# Altium PCB record1.PcbDoc (part 2 of 2)
Units mil, origin at the board's own origin, x right, y up, seen from the top; angles counter-clockwise.
Board outline 17007.87 x 11459.7 mil, 3 copper layers (Top Layer, GND, Bottom Layer), stack 19.217 mil thick; 488 components, 1 nets, 1152 pads, 320 vias.
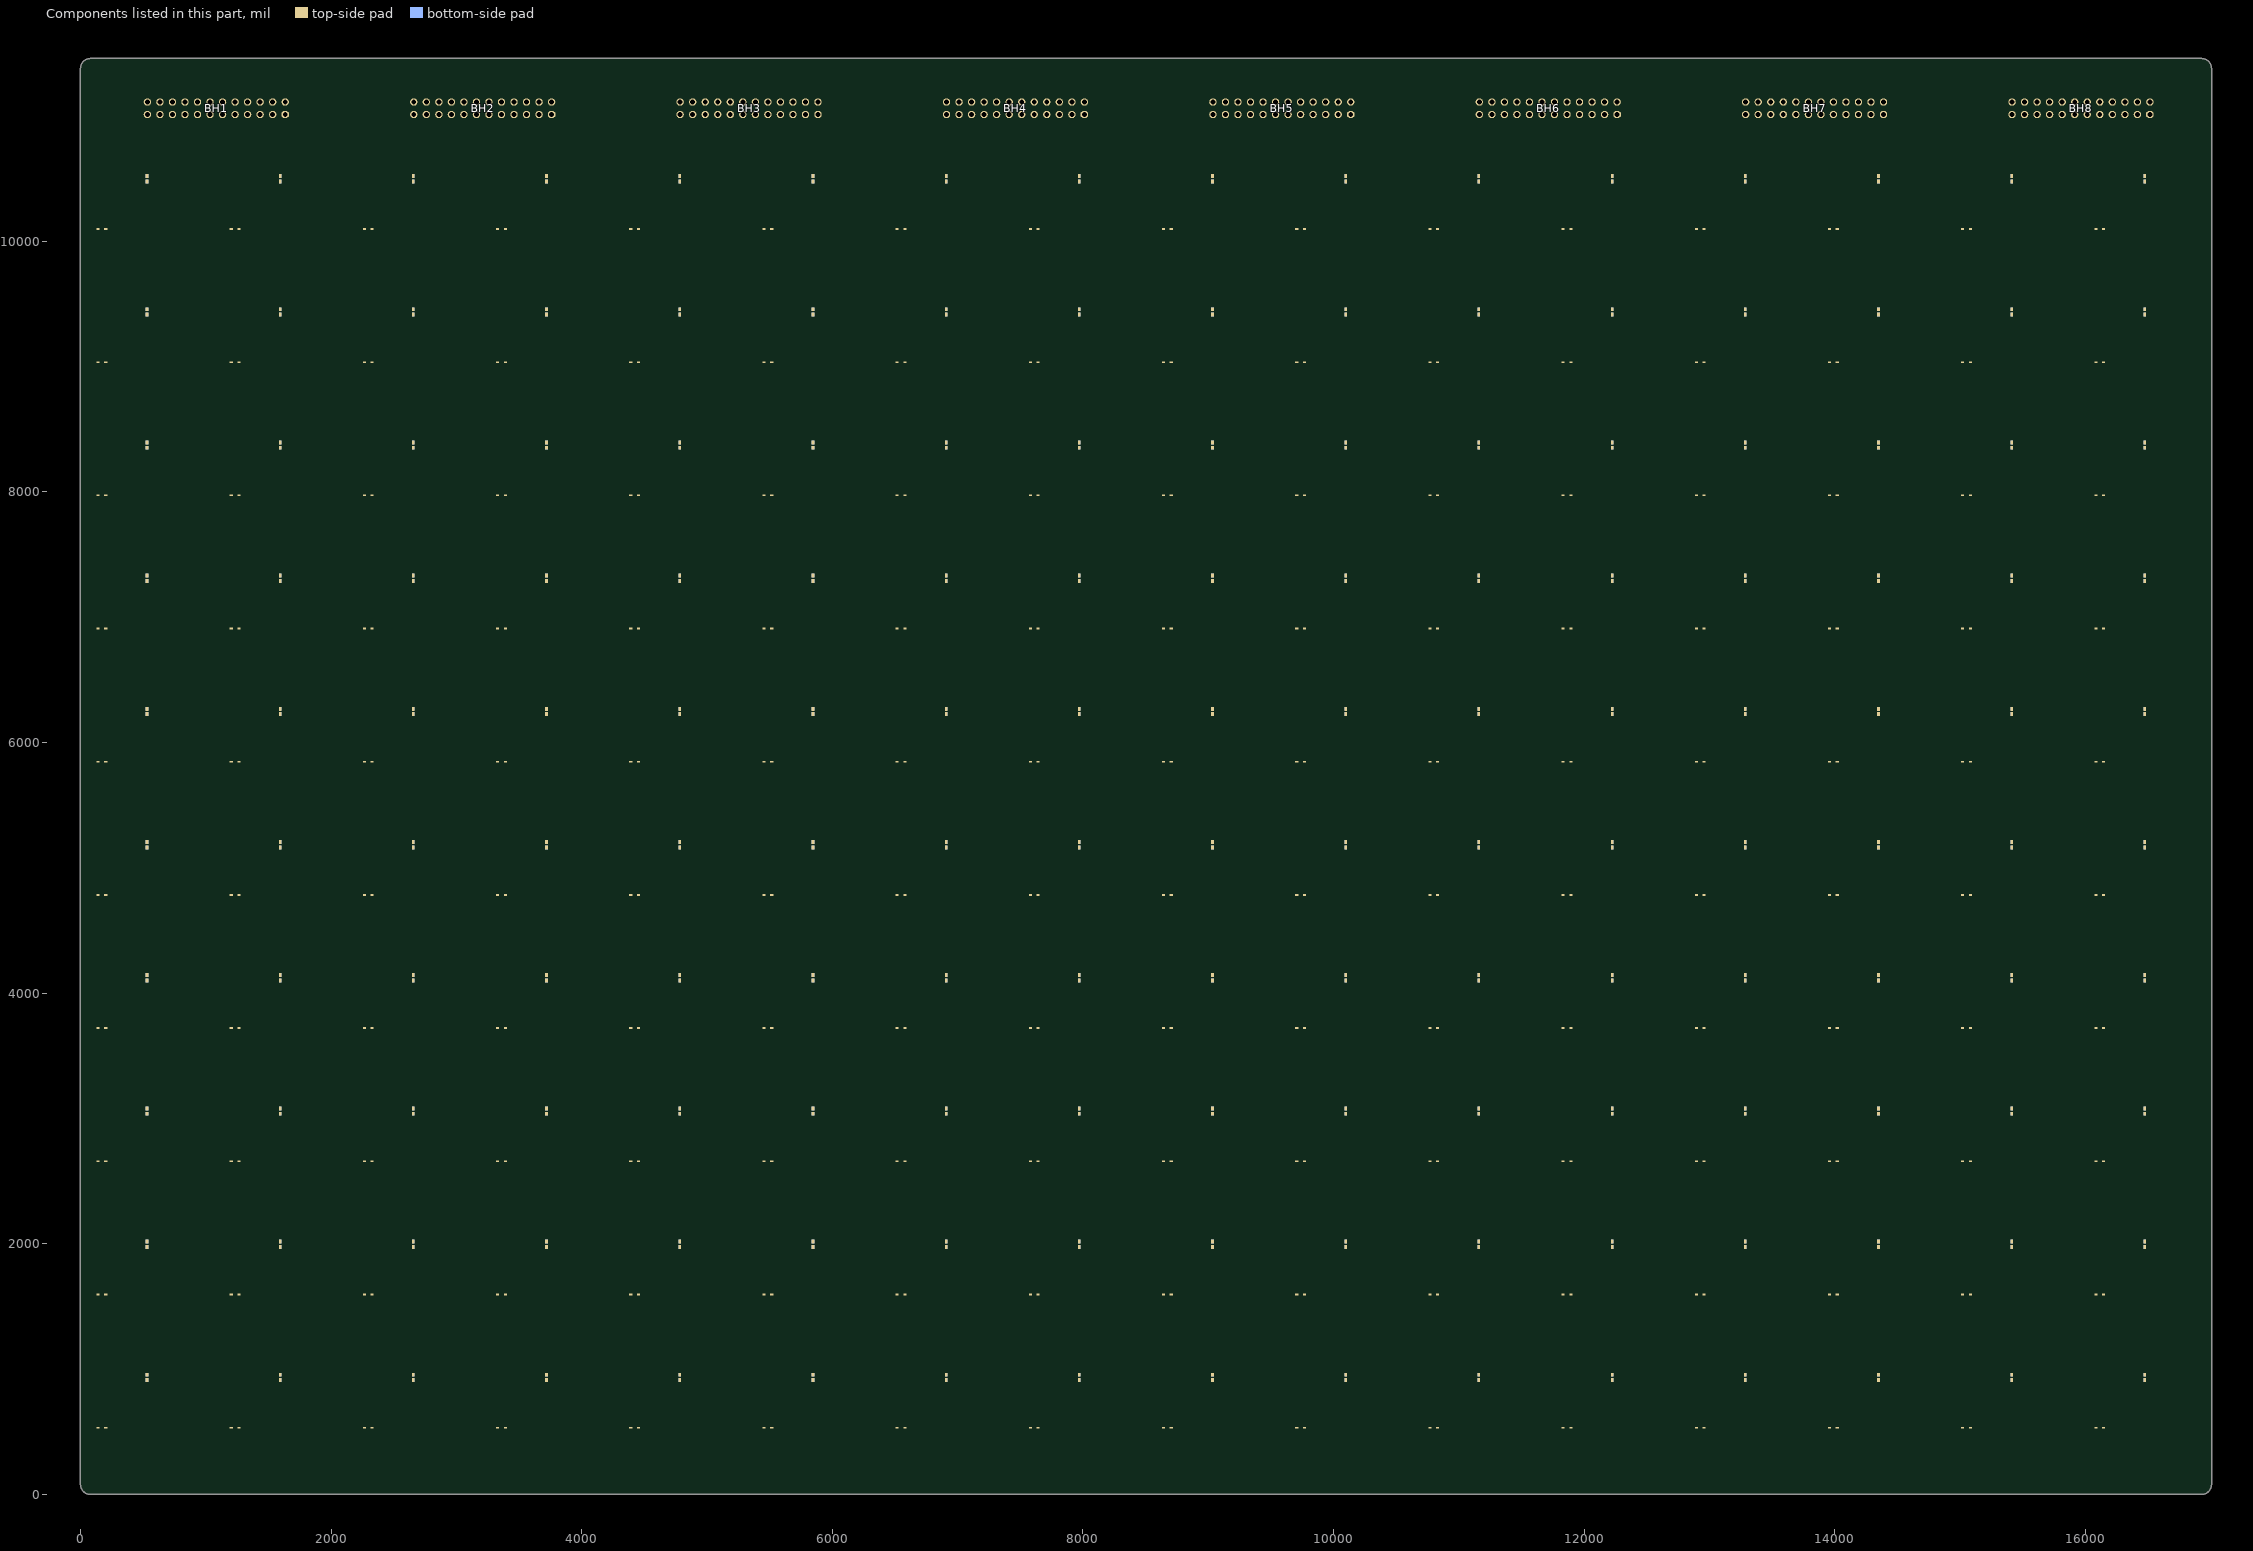
[diagram p3: the components of this part, seen from the top]

## Via types
v1: diameter 19.68, hole 11.81, Top Layer to Bottom Layer, tented both sides, 320 vias

## Nets (pads, with @x,y where several pads share a name; then routed paths per layer and width w, separated by ;. In a path a pad name is that pad's centre, name@x,y a point inside that pad or via, vN(x,y) a via of type N, cw(c..) or ccw(c..) an arc to the next point about the centre after c; other vN are vias at no path point) (continued)
pads on no net: BH1.5 BH1.6 BH1.7 BH1.8 BH1.9 BH1.10 BH1.11 BH1.12 BH1.13 BH1.14 BH1.15 BH1.16 BH1.17 BH1.18 BH1.19 BH1.20 BH1.21 BH1.22 BH1.23 BH1.24 BH2.5 BH2.6 BH2.7 BH2.8 BH2.9 BH2.10 BH2.11 BH2.12 BH2.13 BH2.14 BH2.15 BH2.16 BH2.17 BH2.18 BH2.19 BH2.20 BH2.21 BH2.22 BH2.23 BH2.24 BH3.5 BH3.6 BH3.7 BH3.8 BH3.9 BH3.10 BH3.11 BH3.12 BH3.13 BH3.14 BH3.15 BH3.16 BH3.17 BH3.18 BH3.19 BH3.20 BH3.21 BH3.22 BH3.23 BH3.24 BH4.5 BH4.6 BH4.7 BH4.8 BH4.9 BH4.10 BH4.11 BH4.12 BH4.13 BH4.14 BH4.15 BH4.16 BH4.17 BH4.18 BH4.19 BH4.20 BH4.21 BH4.22 BH4.23 BH4.24 BH5.5 BH5.6 BH5.7 BH5.8 BH5.9 BH5.10 BH5.11 BH5.12 BH5.13 BH5.14 BH5.15 BH5.16 BH5.17 BH5.18 BH5.19 BH5.20 BH5.21 BH5.22 BH5.23 BH5.24 BH6.5 BH6.6 BH6.7 BH6.8 BH6.9 BH6.10 BH6.11 BH6.12 BH6.13 BH6.14 BH6.15 BH6.16 BH6.17 BH6.18 BH6.19 BH6.20 BH6.21 BH6.22 BH6.23 BH6.24 BH7.5 BH7.6 BH7.7 BH7.8 BH7.9 BH7.10 BH7.11 BH7.12 BH7.13 BH7.14 BH7.15 BH7.16 BH7.17 BH7.18 BH7.19 BH7.20 BH7.21 BH7.22 BH7.23 BH7.24 BH8.5 BH8.6 BH8.7 BH8.8 BH8.9 BH8.10 BH8.11 BH8.12 BH8.13 BH8.14 BH8.15 BH8.16 BH8.17 BH8.18 BH8.19 BH8.20 BH8.21 BH8.22 BH8.23 BH8.24 BL1.1 BL1.2 BL1_1.1 BL1_1.2 BL1_2.1 BL1_2.2 BL1_3.1 BL1_3.2 BL1_4.1 BL1_4.2 BL1_5.1 BL1_5.2 BL1_6.1 BL1_6.2 BL1_7.1 BL1_7.2 BL1_8.1 BL1_8.2 BL1_9.1 BL1_9.2 BL1_10.1 BL1_10.2 BL1_11.1 BL1_11.2 BL1_12.1 BL1_12.2 BL1_13.1 BL1_13.2 BL1_14.1 BL1_14.2 BL1_15.1 BL1_15.2 BL2.1 BL2.2 BL2_1.1 BL2_1.2 BL2_2.1 BL2_2.2 BL2_3.1 BL2_3.2 BL2_4.1 BL2_4.2 BL2_5.1 BL2_5.2 BL2_6.1 BL2_6.2 BL2_7.1 BL2_7.2 BL2_8.1 BL2_8.2 BL2_9.1 BL2_9.2 BL2_10.1 BL2_10.2 BL2_11.1 BL2_11.2 BL2_12.1 BL2_12.2 BL2_13.1 BL2_13.2 BL2_14.1 BL2_14.2 BL2_15.1 BL2_15.2 BL3.1 BL3.2 BL3_1.1 BL3_1.2 BL3_2.1 BL3_2.2 BL3_3.1 BL3_3.2 BL3_4.1 BL3_4.2 BL3_5.1 BL3_5.2 BL3_6.1 BL3_6.2 BL3_7.1 BL3_7.2 BL3_8.1 BL3_8.2 BL3_9.1 BL3_9.2 BL3_10.1 BL3_10.2 BL3_11.1 BL3_11.2 BL3_12.1 BL3_12.2 BL3_13.1 BL3_13.2 BL3_14.1 BL3_14.2 BL3_15.1 BL3_15.2 BL4.1 BL4.2 BL4_1.1 BL4_1.2 BL4_2.1 BL4_2.2 BL4_3.1 BL4_3.2 BL4_4.1 BL4_4.2 BL4_5.1 BL4_5.2 BL4_6.1 BL4_6.2 BL4_7.1 BL4_7.2 BL4_8.1 BL4_8.2 BL4_9.1 BL4_9.2 BL4_10.1 BL4_10.2 BL4_11.1 BL4_11.2 BL4_12.1 BL4_12.2 BL4_13.1 BL4_13.2 BL4_14.1 BL4_14.2 BL4_15.1 BL4_15.2 BL5.1 BL5.2 BL5_1.1 BL5_1.2 BL5_2.1 BL5_2.2 BL5_3.1 BL5_3.2 BL5_4.1 BL5_4.2 BL5_5.1 BL5_5.2 BL5_6.1 BL5_6.2 BL5_7.1 BL5_7.2 BL5_8.1 BL5_8.2 BL5_9.1 BL5_9.2 BL5_10.1 BL5_10.2 BL5_11.1 BL5_11.2 BL5_12.1 BL5_12.2 BL5_13.1 BL5_13.2 BL5_14.1 BL5_14.2 BL5_15.1 BL5_15.2 BL6.1 BL6.2 BL6_1.1 BL6_1.2 BL6_2.1 BL6_2.2 BL6_3.1 BL6_3.2 BL6_4.1 BL6_4.2 BL6_5.1 BL6_5.2 BL6_6.1 BL6_6.2 BL6_7.1 BL6_7.2 BL6_8.1 BL6_8.2 BL6_9.1 BL6_9.2 BL6_10.1 BL6_10.2 BL6_11.1 BL6_11.2 BL6_12.1 BL6_12.2 BL6_13.1 BL6_13.2 BL6_14.1 BL6_14.2 BL6_15.1 BL6_15.2 BL7.1 BL7.2 BL7_1.1 BL7_1.2 BL7_2.1 BL7_2.2 BL7_3.1 BL7_3.2 BL7_4.1 BL7_4.2 BL7_5.1 BL7_5.2 BL7_6.1 BL7_6.2 BL7_7.1 BL7_7.2 BL7_8.1 BL7_8.2 BL7_9.1 BL7_9.2 BL7_10.1 BL7_10.2 BL7_11.1 BL7_11.2 BL7_12.1 BL7_12.2 BL7_13.1 BL7_13.2 BL7_14.1 BL7_14.2 BL7_15.1 BL7_15.2 BL8.1 BL8.2 BL8_1.1 BL8_1.2 BL8_2.1 BL8_2.2 BL8_3.1 BL8_3.2 BL8_4.1 BL8_4.2 BL8_5.1 BL8_5.2 BL8_6.1 BL8_6.2 BL8_7.1 BL8_7.2 BL8_8.1 BL8_8.2 BL8_9.1 BL8_9.2 BL8_10.1 BL8_10.2 BL8_11.1 BL8_11.2 BL8_12.1 BL8_12.2 BL8_13.1 BL8_13.2 BL8_14.1 BL8_14.2 BL8_15.1 BL8_15.2 BL9.1 BL9.2 BL9_1.1 BL9_1.2 BL9_2.1 BL9_2.2 BL9_3.1 BL9_3.2 BL9_4.1 BL9_4.2 BL9_5.1 BL9_5.2 BL9_6.1 BL9_6.2 BL9_7.1 BL9_7.2 BL9_8.1 BL9_8.2 BL9_9.1 BL9_9.2 BL9_10.1 BL9_10.2 BL9_11.1 BL9_11.2 BL9_12.1 BL9_12.2 BL9_13.1 BL9_13.2 BL9_14.1 BL9_14.2 BL9_15.1 BL9_15.2 BL10.1 BL10.2 BL10_1.1 BL10_1.2 BL10_2.1 BL10_2.2 BL10_3.1 BL10_3.2 BL10_4.1 BL10_4.2 BL10_5.1 BL10_5.2 BL10_6.1 BL10_6.2 BL10_7.1 BL10_7.2 BL10_8.1 BL10_8.2 BL10_9.1 BL10_9.2 BL10_10.1 BL10_10.2 BL10_11.1 BL10_11.2 BL10_12.1 BL10_12.2 BL10_13.1 BL10_13.2 BL10_14.1 BL10_14.2 BL10_15.1 BL10_15.2 D1.2 D1_1.2 D1_2.2 D1_3.2 D1_4.2 D1_5.2 D1_6.2 D1_7.2 D1_8.2 D1_9.2 D1_10.2 D1_11.2 D1_12.2 D1_13.2 D1_14.2 D1_15.2 D2.2 D2_1.2 D2_2.2 D2_3.2 D2_4.2 D2_5.2 D2_6.2 D2_7.2 D2_8.2 D2_9.2 D2_10.2 D2_11.2 D2_12.2 D2_13.2 D2_14.2 D2_15.2 D3.2 D3_1.2 D3_2.2 D3_3.2 D3_4.2 D3_5.2 D3_6.2 D3_7.2 D3_8.2 D3_9.2 D3_10.2 D3_11.2 D3_12.2 D3_13.2 D3_14.2 D3_15.2 D4.2 D4_1.2 D4_2.2 D4_3.2 D4_4.2 D4_5.2 D4_6.2 D4_7.2 D4_8.2 D4_9.2 D4_10.2 D4_11.2 D4_12.2 D4_13.2 D4_14.2 D4_15.2 D5.2 D5_1.2 D5_2.2 D5_3.2 D5_4.2 D5_5.2 D5_6.2 D5_7.2 D5_8.2 D5_9.2 D5_10.2 D5_11.2 D5_12.2 D5_13.2 D5_14.2 D5_15.2 D6.2 D6_1.2 D6_2.2 D6_3.2 D6_4.2 D6_5.2 D6_6.2 D6_7.2 D6_8.2 D6_9.2 D6_10.2 D6_11.2 D6_12.2 D6_13.2 D6_14.2 D6_15.2 D7.2 D7_1.2 D7_2.2 D7_3.2 D7_4.2 D7_5.2 D7_6.2 D7_7.2 D7_8.2 D7_9.2 D7_10.2 D7_11.2 D7_12.2 D7_13.2 D7_14.2 D7_15.2 D8.2 D8_1.2 D8_2.2 D8_3.2 D8_4.2 D8_5.2 D8_6.2 D8_7.2 D8_8.2 D8_9.2 D8_10.2 D8_11.2 D8_12.2 D8_13.2 D8_14.2 D8_15.2 D9.2 D9_1.2 D9_2.2 D9_3.2 D9_4.2 D9_5.2 D9_6.2 D9_7.2 D9_8.2 D9_9.2 D9_10.2 D9_11.2 D9_12.2 D9_13.2 D9_14.2 D9_15.2 D10.2 D10_1.2 D10_2.2 D10_3.2 D10_4.2 D10_5.2 D10_6.2 D10_7.2 D10_8.2 D10_9.2 D10_10.2 D10_11.2 D10_12.2 D10_13.2 D10_14.2 D10_15.2 FL1.1 FL1.2 FL1_1.1 FL1_1.2 FL1_2.1 FL1_2.2 FL1_3.1 FL1_3.2 FL1_4.1 FL1_4.2 FL1_5.1 FL1_5.2 FL1_6.1 FL1_6.2 FL1_7.1 FL1_7.2 FL1_8.1 FL1_8.2 FL1_9.1 FL1_9.2 FL1_10.1 FL1_10.2 FL1_11.1 FL1_11.2 FL1_12.1 FL1_12.2 FL1_13.1 FL1_13.2 FL1_14.1 FL1_14.2 FL1_15.1 FL1_15.2 FL2.1 FL2.2 FL2_1.1 FL2_1.2 FL2_2.1 FL2_2.2 FL2_3.1 FL2_3.2 FL2_4.1 FL2_4.2 FL2_5.1 FL2_5.2 FL2_6.1 FL2_6.2 FL2_7.1 FL2_7.2 FL2_8.1 FL2_8.2 FL2_9.1 FL2_9.2 FL2_10.1 FL2_10.2 FL2_11.1 FL2_11.2 FL2_12.1 FL2_12.2 FL2_13.1 FL2_13.2 FL2_14.1 FL2_14.2 FL2_15.1 FL2_15.2 FL3.1 FL3.2 FL3_1.1 FL3_1.2 FL3_2.1 FL3_2.2 FL3_3.1 FL3_3.2 FL3_4.1 FL3_4.2 FL3_5.1 FL3_5.2 FL3_6.1 FL3_6.2 FL3_7.1 FL3_7.2 FL3_8.1 FL3_8.2 FL3_9.1 FL3_9.2 FL3_10.1 FL3_10.2 FL3_11.1 FL3_11.2 FL3_12.1 FL3_12.2 FL3_13.1 FL3_13.2 FL3_14.1 FL3_14.2 FL3_15.1 FL3_15.2 FL4.1 FL4.2 FL4_1.1 FL4_1.2 FL4_2.1 FL4_2.2 FL4_3.1 FL4_3.2 FL4_4.1 FL4_4.2 FL4_5.1 FL4_5.2 FL4_6.1 FL4_6.2 FL4_7.1 FL4_7.2 FL4_8.1 FL4_8.2 FL4_9.1 FL4_9.2 FL4_10.1 FL4_10.2 FL4_11.1 FL4_11.2 FL4_12.1 FL4_12.2 FL4_13.1 FL4_13.2 FL4_14.1 FL4_14.2 FL4_15.1 FL4_15.2 FL5.1 FL5.2 FL5_1.1 FL5_1.2 FL5_2.1 FL5_2.2 FL5_3.1 FL5_3.2 FL5_4.1 FL5_4.2 FL5_5.1 FL5_5.2 FL5_6.1 FL5_6.2 FL5_7.1 FL5_7.2 FL5_8.1 FL5_8.2 FL5_9.1 FL5_9.2 FL5_10.1 FL5_10.2 FL5_11.1 FL5_11.2 FL5_12.1 FL5_12.2 FL5_13.1 FL5_13.2 FL5_14.1 FL5_14.2 FL5_15.1 FL5_15.2 FL6.1 FL6.2 FL6_1.1 FL6_1.2 FL6_2.1 FL6_2.2 FL6_3.1 FL6_3.2 FL6_4.1 FL6_4.2 FL6_5.1 FL6_5.2 FL6_6.1 FL6_6.2 FL6_7.1 FL6_7.2 FL6_8.1 FL6_8.2 FL6_9.1 FL6_9.2 FL6_10.1 FL6_10.2 FL6_11.1 FL6_11.2 FL6_12.1 FL6_12.2 FL6_13.1 FL6_13.2 FL6_14.1 FL6_14.2 FL6_15.1 FL6_15.2 FL7.1 FL7.2 FL7_1.1 FL7_1.2 FL7_2.1 FL7_2.2 FL7_3.1 FL7_3.2 FL7_4.1 FL7_4.2 FL7_5.1 FL7_5.2 FL7_6.1 FL7_6.2 FL7_7.1 FL7_7.2 FL7_8.1 FL7_8.2 FL7_9.1 FL7_9.2 FL7_10.1 FL7_10.2 FL7_11.1 FL7_11.2 FL7_12.1 FL7_12.2 FL7_13.1 FL7_13.2 FL7_14.1 FL7_14.2 FL7_15.1 FL7_15.2 FL8.1 FL8.2 FL8_1.1 FL8_1.2 FL8_2.1 FL8_2.2 FL8_3.1 FL8_3.2 FL8_4.1 FL8_4.2 FL8_5.1 FL8_5.2 FL8_6.1 FL8_6.2 FL8_7.1 FL8_7.2 FL8_8.1 FL8_8.2 FL8_9.1 FL8_9.2 FL8_10.1 FL8_10.2 FL8_11.1 FL8_11.2 FL8_12.1 FL8_12.2 FL8_13.1 FL8_13.2 FL8_14.1 FL8_14.2 FL8_15.1 FL8_15.2 FL9.1 FL9.2 FL9_1.1 FL9_1.2 FL9_2.1 FL9_2.2 FL9_3.1 FL9_3.2 FL9_4.1 FL9_4.2 FL9_5.1 FL9_5.2 FL9_6.1 FL9_6.2 FL9_7.1 FL9_7.2 FL9_8.1 FL9_8.2 FL9_9.1 FL9_9.2 FL9_10.1 FL9_10.2 FL9_11.1 FL9_11.2 FL9_12.1 FL9_12.2 FL9_13.1 FL9_13.2 FL9_14.1 FL9_14.2 FL9_15.1 FL9_15.2 FL10.1 FL10.2 FL10_1.1 FL10_1.2 FL10_2.1 FL10_2.2 FL10_3.1 FL10_3.2 FL10_4.1 FL10_4.2 FL10_5.1 FL10_5.2 FL10_6.1 FL10_6.2 FL10_7.1 FL10_7.2 FL10_8.1 FL10_8.2 FL10_9.1 FL10_9.2 FL10_10.1 FL10_10.2 FL10_11.1 FL10_11.2 FL10_12.1 FL10_12.2 FL10_13.1 FL10_13.2 FL10_14.1 FL10_14.2 FL10_15.1 FL10_15.2
copper on no net: | length 941046.5
  Bottom Layer w7.87: 531,911.61 531,878.07 779.57,878.07 779.57,10629.92 779.57,10778.77 986,10985.2 986,11060.3 934.1,11112.2 ; 531,1974.6 531,1941.06 759.88,1941.06 759.88,10629.92 759.88,10792.38 934.1,10966.6 934.1,11012.2 ; 531,3037.6 531,3004.06 740.2,3004.06 740.2,10629.92 740.2,10821 882.4,10963.2 882.4,11063.9 834.1,11112.2 ; 531,4100.59 531,4067.05 720.51,4067.05 720.51,10629.92 720.51,10844.81 834.1,10958.4 834.1,11012.2 ; 531,5163.58 531,5130.04 700.83,5130.04 700.83,10629.92 700.83,10874.03 784.8,10958 784.8,11061.5 734.1,11112.2 ; 531,6226.57 531,6193.03 681.14,6193.03 681.14,10629.92 681.14,10884.04 734.1,10937 734.1,11012.2 ; 531,7289.56 531,7256.02 661.46,7256.02 661.46,10629.92 661.46,10948.56 683.8,10970.9 683.8,11062.5 634.1,11112.2 ; 531,8352.56 531,8319.02 641.77,8319.02 641.77,10629.92 641.77,11004.53 634.1,11012.2 ; 531,9415.55 531,9382.01 622.09,9382.01 622.09,10629.92 622.5,10630.34 622.5,10653.6 581.9,10694.2 581.9,11064.4 534.1,11112.2 ; 531,10478.54 531,10445 602.4,10445 602.4,10629.92 602.4,10636.2 534.1,10704.5 534.1,11012.2 ; 1034.1,11012.2 1034.1,10871 1234.7,10670.4 1622.2,10670.4 1662.68,10629.92 1665.39,10629.92 1665.39,10445 1593.99,10445 1593.99,10478.54 ; 1034.1,11112.2 1079.5,11066.8 1079.5,10865.3 1254,10690.8 1645.2,10690.8 1685.08,10650.92 1685.08,10629.92 1685.08,9382.01 1593.99,9382.01 1593.99,9415.55 ; 1134.1,11012.2 1134.1,10858.8 1280.7,10712.2 1648.4,10712.2 1704.76,10655.84 1704.76,10629.92 1704.76,8319.02 1593.99,8319.02 1593.99,8352.56 ; 1134.1,11112.2 1184.5,11061.8 1184.5,10858.5 1312.5,10730.5 1667.7,10730.5 1724.45,10673.75 1724.45,10629.92 1724.45,7256.02 1593.99,7256.02 1593.99,7289.56 ; 1234.1,11012.2 1234.1,10866.3 1350.6,10749.8 1690.1,10749.8 1744.13,10695.77 1744.13,10629.92 1744.13,6193.03 1593.99,6193.03 1593.99,6226.57 ; 1234.1,11112.2 1283.2,11063.1 1283.2,10867.9 1379.9,10771.2 1699.5,10771.2 1763.82,10706.88 1763.82,10629.92 1763.82,5130.04 1593.99,5130.04 1593.99,5163.58 ; 1334.1,11012.2 1334.1,10893.3 1435.3,10792.1 1715.2,10792.1 1783.5,10723.8 1783.5,10629.92 1783.5,4067.05 1593.99,4067.05 1593.99,4100.59 ; 1334.1,11112.2 1381.4,11064.9 1381.4,10902.4 1472.9,10810.9 1725.7,10810.9 1803.19,10733.41 1803.19,10629.92 1803.19,3004.06 1593.99,3004.06 1593.99,3037.6 ; 1434.1,11012.2 1434.1,10918.1 1523,10829.2 1746,10829.2 1822.87,10752.33 1822.87,10629.92 1822.87,1941.06 1593.99,1941.06 1593.99,1974.6 ; 1434.1,11112.2 1483.8,11062.5 1483.8,10934.2 1567.4,10850.6 1754.9,10850.6 1842.56,10762.94 1842.56,10629.92 1842.56,878.07 1593.99,878.07 1593.99,911.61 ; 2656.98,911.61 2656.98,878.07 2905.55,878.07 2905.55,10629.92 2905.55,10778.77 3111.98,10985.2 3111.98,11060.3 3060.08,11112.2 ; 2656.98,1974.6 2656.98,1941.06 2885.86,1941.06 2885.86,10629.92 2885.86,10792.38 3060.08,10966.6 3060.08,11012.2 ; 2656.98,3037.6 2656.98,3004.06 2866.18,3004.06 2866.18,10629.92 2866.18,10821 3008.38,10963.2 3008.38,11063.9 2960.08,11112.2 ; 2656.98,4100.59 2656.98,4067.05 2846.49,4067.05 2846.49,10629.92 2846.49,10844.81 2960.08,10958.4 2960.08,11012.2 ; 2656.98,5163.58 2656.98,5130.04 2826.81,5130.04 2826.81,10629.92 2826.81,10874.03 2910.78,10958 2910.78,11061.5 2860.08,11112.2 ; 2656.98,6226.57 2656.98,6193.03 2807.12,6193.03 2807.12,10629.92 2807.12,10884.04 2860.08,10937 2860.08,11012.2 ; 2656.98,7289.56 2656.98,7256.02 2787.44,7256.02 2787.44,10629.92 2787.44,10948.56 2809.78,10970.9 2809.78,11062.5 2760.08,11112.2 ; 2656.98,8352.56 2656.98,8319.02 2767.75,8319.02 2767.75,10629.92 2767.75,11004.53 2760.08,11012.2 ; 2656.98,9415.55 2656.98,9382.01 2748.07,9382.01 2748.07,10629.92 2748.48,10630.34 2748.48,10653.6 2707.88,10694.2 2707.88,11064.4 2660.08,11112.2 ; 2656.98,10478.54 2656.98,10445 2728.38,10445 2728.38,10629.92 2728.38,10636.2 2660.08,10704.5 2660.08,11012.2 ; 3160.08,11012.2 3160.08,10871 3360.68,10670.4 3748.18,10670.4 3788.66,10629.92 3791.38,10629.92 3791.38,10445 3719.98,10445 3719.98,10478.54 ; 3160.08,11112.2 3205.48,11066.8 3205.48,10865.3 3379.98,10690.8 3771.18,10690.8 3811.06,10650.92 3811.06,10629.92 3811.06,9382.01 3719.98,9382.01 3719.98,9415.55 ; 3260.08,11012.2 3260.08,10858.8 3406.68,10712.2 3774.38,10712.2 3830.75,10655.84 3830.75,10629.92 3830.75,8319.02 3719.98,8319.02 3719.98,8352.56 ; 3260.08,11112.2 3310.48,11061.8 3310.48,10858.5 3438.48,10730.5 3793.68,10730.5 3850.43,10673.75 3850.43,10629.92 3850.43,7256.02 3719.98,7256.02 3719.98,7289.56 ; 3360.08,11012.2 3360.08,10866.3 3476.58,10749.8 3816.08,10749.8 3870.12,10695.77 3870.12,10629.92 3870.12,6193.03 3719.98,6193.03 3719.98,6226.57 ; 3360.08,11112.2 3409.18,11063.1 3409.18,10867.9 3505.88,10771.2 3825.48,10771.2 3889.8,10706.88 3889.8,10629.92 3889.8,5130.04 3719.98,5130.04 3719.98,5163.58 ; 3460.08,11012.2 3460.08,10893.3 3561.28,10792.1 3841.18,10792.1 3909.49,10723.8 3909.49,10629.92 3909.49,4067.05 3719.98,4067.05 3719.98,4100.59 ; 3460.08,11112.2 3507.38,11064.9 3507.38,10902.4 3598.88,10810.9 3851.68,10810.9 3929.17,10733.41 3929.17,10629.92 3929.17,3004.06 3719.98,3004.06 3719.98,3037.6 ; 3560.08,11012.2 3560.08,10918.1 3648.98,10829.2 3871.98,10829.2 3948.86,10752.33 3948.86,10629.92 3948.86,1941.06 3719.98,1941.06 3719.98,1974.6 ; 3560.08,11112.2 3609.78,11062.5 3609.78,10934.2 3693.38,10850.6 3880.88,10850.6 3968.54,10762.94 3968.54,10629.92 3968.54,878.07 3719.98,878.07 3719.98,911.61 ; 4782.97,911.61 4782.97,878.07 5031.53,878.07 5031.53,10629.92 5031.53,10778.77 5237.97,10985.2 5237.97,11060.3 5186.07,11112.2 ; 4782.97,1974.6 4782.97,1941.06 5011.85,1941.06 5011.85,10629.92 5011.85,10792.38 5186.07,10966.6 5186.07,11012.2 ; 4782.97,3037.6 4782.97,3004.06 4992.16,3004.06 4992.16,10629.92 4992.16,10821 5134.37,10963.2 5134.37,11063.9 5086.07,11112.2 ; 4782.97,4100.59 4782.97,4067.05 4972.48,4067.05 4972.48,10629.92 4972.48,10844.81 5086.07,10958.4 5086.07,11012.2 ; 4782.97,5163.58 4782.97,5130.04 4952.79,5130.04 4952.79,10629.92 4952.79,10874.03 5036.77,10958 5036.77,11061.5 4986.07,11112.2 ; 4782.97,6226.57 4782.97,6193.03 4933.11,6193.03 4933.11,10629.92 4933.11,10884.04 4986.07,10937 4986.07,11012.2 ; 4782.97,7289.56 4782.97,7256.02 4913.42,7256.02 4913.42,10629.92 4913.42,10948.56 4935.77,10970.9 4935.77,11062.5 4886.07,11112.2 ; 4782.97,8352.56 4782.97,8319.02 4893.74,8319.02 4893.74,10629.92 4893.74,11004.53 4886.07,11012.2 ; 4782.97,9415.55 4782.97,9382.01 4874.05,9382.01 4874.05,10629.92 4874.47,10630.34 4874.47,10653.6 4833.87,10694.2 4833.87,11064.4 4786.07,11112.2 ; 4782.97,10478.54 4782.97,10445 4854.37,10445 4854.37,10629.92 4854.37,10636.2 4786.07,10704.5 4786.07,11012.2 ; 5286.07,11012.2 5286.07,10871 5486.67,10670.4 5874.17,10670.4 5914.65,10629.92 5917.36,10629.92 5917.36,10445 5845.96,10445 5845.96,10478.54 ; 5286.07,11112.2 5331.47,11066.8 5331.47,10865.3 5505.97,10690.8 5897.17,10690.8 5937.05,10650.92 5937.05,10629.92 5937.05,9382.01 5845.96,9382.01 5845.96,9415.55 ; 5386.07,11012.2 5386.07,10858.8 5532.67,10712.2 5900.37,10712.2 5956.73,10655.84 5956.73,10629.92 5956.73,8319.02 5845.96,8319.02 5845.96,8352.56 ; 5386.07,11112.2 5436.47,11061.8 5436.47,10858.5 5564.47,10730.5 5919.67,10730.5 5976.42,10673.75 5976.42,10629.92 5976.42,7256.02 5845.96,7256.02 5845.96,7289.56 ; 5486.07,11012.2 5486.07,10866.3 5602.57,10749.8 5942.07,10749.8 5996.1,10695.77 5996.1,10629.92 5996.1,6193.03 5845.96,6193.03 5845.96,6226.57 ; 5486.07,11112.2 5535.17,11063.1 5535.17,10867.9 5631.87,10771.2 5951.47,10771.2 6015.79,10706.88 6015.79,10629.92 6015.79,5130.04 5845.96,5130.04 5845.96,5163.58 ; 5586.07,11012.2 5586.07,10893.3 5687.27,10792.1 5967.17,10792.1 6035.47,10723.8 6035.47,10629.92 6035.47,4067.05 5845.96,4067.05 5845.96,4100.59 ; 5586.07,11112.2 5633.37,11064.9 5633.37,10902.4 5724.87,10810.9 5977.67,10810.9 6055.16,10733.41 6055.16,10629.92 6055.16,3004.06 5845.96,3004.06 5845.96,3037.6 ; 5686.07,11012.2 5686.07,10918.1 5774.97,10829.2 5997.97,10829.2 6074.84,10752.33 6074.84,10629.92 6074.84,1941.06 5845.96,1941.06 5845.96,1974.6 ; 5686.07,11112.2 5735.77,11062.5 5735.77,10934.2 5819.37,10850.6 6006.87,10850.6 6094.53,10762.94 6094.53,10629.92 6094.53,878.07 5845.96,878.07 5845.96,911.61 ; 6908.95,911.61 6908.95,878.07 7157.52,878.07 7157.52,10629.92 7157.52,10778.77 7363.95,10985.2 7363.95,11060.3 7312.05,11112.2 ; 6908.95,1974.6 6908.95,1941.06 7137.83,1941.06 7137.83,10629.92 7137.83,10792.38 7312.05,10966.6 7312.05,11012.2 ; 6908.95,3037.6 6908.95,3004.06 7118.15,3004.06 7118.15,10629.92 7118.15,10821 7260.35,10963.2 7260.35,11063.9 7212.05,11112.2 ; 6908.95,4100.59 6908.95,4067.05 7098.46,4067.05 7098.46,10629.92 7098.46,10844.81 7212.05,10958.4 7212.05,11012.2 ; 6908.95,5163.58 6908.95,5130.04 7078.78,5130.04 7078.78,10629.92 7078.78,10874.03 7162.75,10958 7162.75,11061.5 7112.05,11112.2 ; 6908.95,6226.57 6908.95,6193.03 7059.09,6193.03 7059.09,10629.92 7059.09,10884.04 7112.05,10937 7112.05,11012.2 ; 6908.95,7289.56 6908.95,7256.02 7039.41,7256.02 7039.41,10629.92 7039.41,10948.56 7061.75,10970.9 7061.75,11062.5 7012.05,11112.2 ; 6908.95,8352.56 6908.95,8319.02 7019.72,8319.02 7019.72,10629.92 7019.72,11004.53 7012.05,11012.2 ; 6908.95,9415.55 6908.95,9382.01 7000.04,9382.01 7000.04,10629.92 7000.45,10630.34 7000.45,10653.6 6959.85,10694.2 6959.85,11064.4 6912.05,11112.2 ; 6908.95,10478.54 6908.95,10445 6980.35,10445 6980.35,10629.92 6980.35,10636.2 6912.05,10704.5 6912.05,11012.2 ; 7412.05,11012.2 7412.05,10871 7612.65,10670.4 8000.15,10670.4 8040.63,10629.92 8043.34,10629.92 8043.34,10445 7971.94,10445 7971.94,10478.54 ; 7412.05,11112.2 7457.45,11066.8 7457.45,10865.3 7631.95,10690.8 8023.15,10690.8 8063.03,10650.92 8063.03,10629.92 8063.03,9382.01 7971.94,9382.01 7971.94,9415.55 ; 7512.05,11012.2 7512.05,10858.8 7658.65,10712.2 8026.35,10712.2 8082.72,10655.84 8082.72,10629.92 8082.72,8319.02 7971.94,8319.02 7971.94,8352.56 ; 7512.05,11112.2 7562.45,11061.8 7562.45,10858.5 7690.45,10730.5 8045.65,10730.5 8102.4,10673.75 8102.4,10629.92 8102.4,7256.02 7971.94,7256.02 7971.94,7289.56 ; 7612.05,11012.2 7612.05,10866.3 7728.55,10749.8 8068.05,10749.8 8122.09,10695.77 8122.09,10629.92 8122.09,6193.03 7971.94,6193.03 7971.94,6226.57 ; 7612.05,11112.2 7661.15,11063.1 7661.15,10867.9 7757.85,10771.2 8077.45,10771.2 8141.77,10706.88 8141.77,10629.92 8141.77,5130.04 7971.94,5130.04 7971.94,5163.58 ; 7712.05,11012.2 7712.05,10893.3 7813.25,10792.1 8093.15,10792.1 8161.46,10723.8 8161.46,10629.92 8161.46,4067.05 7971.94,4067.05 7971.94,4100.59 ; 7712.05,11112.2 7759.35,11064.9 7759.35,10902.4 7850.85,10810.9 8103.65,10810.9 8181.14,10733.41 8181.14,10629.92 8181.14,3004.06 7971.94,3004.06 7971.94,3037.6 ; 7812.05,11012.2 7812.05,10918.1 7900.95,10829.2 8123.95,10829.2 8200.83,10752.33 8200.83,10629.92 8200.83,1941.06 7971.94,1941.06 7971.94,1974.6 ; 7812.05,11112.2 7861.75,11062.5 7861.75,10934.2 7945.35,10850.6 8132.85,10850.6 8220.51,10762.94 8220.51,10629.92 8220.51,878.07 7971.94,878.07 7971.94,911.61 ; 9034.94,911.61 9034.94,878.07 9283.5,878.07 9283.5,10629.92 9283.5,10778.77 9489.94,10985.2 9489.94,11060.3 9438.04,11112.2 ; 9034.94,1974.6 9034.94,1941.06 9263.82,1941.06 9263.82,10629.92 9263.82,10792.38 9438.04,10966.6 9438.04,11012.2 ; 9034.94,3037.6 9034.94,3004.06 9244.13,3004.06 9244.13,10629.92 9244.13,10821 9386.34,10963.2 9386.34,11063.9 9338.04,11112.2 ; 9034.94,4100.59 9034.94,4067.05 9224.45,4067.05 9224.45,10629.92 9224.45,10844.81 9338.04,10958.4 9338.04,11012.2 ; 9034.94,5163.58 9034.94,5130.04 9204.76,5130.04 9204.76,10629.92 9204.76,10874.03 9288.74,10958 9288.74,11061.5 9238.04,11112.2 ; 9034.94,6226.57 9034.94,6193.03 9185.08,6193.03 9185.08,10629.92 9185.08,10884.04 9238.04,10937 9238.04,11012.2 ; 9034.94,7289.56 9034.94,7256.02 9165.39,7256.02 9165.39,10629.92 9165.39,10948.56 9187.74,10970.9 9187.74,11062.5 9138.04,11112.2 ; 9034.94,8352.56 9034.94,8319.02 9145.71,8319.02 9145.71,10629.92 9145.71,11004.53 9138.04,11012.2 ; 9034.94,9415.55 9034.94,9382.01 9126.02,9382.01 9126.02,10629.92 9126.44,10630.34 9126.44,10653.6 9085.84,10694.2 9085.84,11064.4 9038.04,11112.2 ; 9034.94,10478.54 9034.94,10445 9106.34,10445 9106.34,10629.92 9106.34,10636.2 9038.04,10704.5 9038.04,11012.2 ; 9538.04,11012.2 9538.04,10871 9738.64,10670.4 10126.14,10670.4 10166.62,10629.92 10169.33,10629.92 10169.33,10445 10097.93,10445 10097.93,10478.54 ; 9538.04,11112.2 9583.44,11066.8 9583.44,10865.3 9757.94,10690.8 10149.14,10690.8 10189.01,10650.92 10189.01,10629.92 10189.01,9382.01 10097.93,9382.01 10097.93,9415.55 ; 9638.04,11012.2 9638.04,10858.8 9784.64,10712.2 10152.34,10712.2 10208.7,10655.84 10208.7,10629.92 10208.7,8319.02 10097.93,8319.02 10097.93,8352.56 ; 9638.04,11112.2 9688.44,11061.8 9688.44,10858.5 9816.44,10730.5 10171.64,10730.5 10228.38,10673.75 10228.38,10629.92 10228.38,7256.02 10097.93,7256.02 10097.93,7289.56 ; 9738.04,11012.2 9738.04,10866.3 9854.54,10749.8 10194.04,10749.8 10248.07,10695.77 10248.07,10629.92 10248.07,6193.03 10097.93,6193.03 10097.93,6226.57 ; 9738.04,11112.2 9787.14,11063.1 9787.14,10867.9 9883.84,10771.2 10203.44,10771.2 10267.75,10706.88 10267.75,10629.92 10267.75,5130.04 10097.93,5130.04 10097.93,5163.58 ; 9838.04,11012.2 9838.04,10893.3 9939.24,10792.1 10219.14,10792.1 10287.44,10723.8 10287.44,10629.92 10287.44,4067.05 10097.93,4067.05 10097.93,4100.59 ; 9838.04,11112.2 9885.34,11064.9 9885.34,10902.4 9976.84,10810.9 10229.64,10810.9 10307.12,10733.41 10307.12,10629.92 10307.12,3004.06 10097.93,3004.06 10097.93,3037.6 ; 9938.04,11012.2 9938.04,10918.1 10026.94,10829.2 10249.94,10829.2 10326.81,10752.33 10326.81,10629.92 10326.81,1941.06 10097.93,1941.06 10097.93,1974.6 ; 9938.04,11112.2 9987.74,11062.5 9987.74,10934.2 10071.34,10850.6 10258.84,10850.6 10346.49,10762.94 10346.49,10629.92 10346.49,878.07 10097.93,878.07 10097.93,911.61 ; 11160.92,911.61 11160.92,878.07 11409.49,878.07 11409.49,10629.92 11409.49,10778.77 11615.92,10985.2 11615.92,11060.3 11564.02,11112.2 ; 11160.92,1974.6 11160.92,1941.06 11389.8,1941.06 11389.8,10629.92 11389.8,10792.38 11564.02,10966.6 11564.02,11012.2 ; 11160.92,3037.6 11160.92,3004.06 11370.12,3004.06 11370.12,10629.92 11370.12,10821 11512.32,10963.2 11512.32,11063.9 11464.02,11112.2 ; 11160.92,4100.59 11160.92,4067.05 11350.43,4067.05 11350.43,10629.92 11350.43,10844.81 11464.02,10958.4 11464.02,11012.2 ; 11160.92,5163.58 11160.92,5130.04 11330.75,5130.04 11330.75,10629.92 11330.75,10874.03 11414.72,10958 11414.72,11061.5 11364.02,11112.2 ; 11160.92,6226.57 11160.92,6193.03 11311.06,6193.03 11311.06,10629.92 11311.06,10884.04 11364.02,10937 11364.02,11012.2 ; 11160.92,7289.56 11160.92,7256.02 11291.38,7256.02 11291.38,10629.92 11291.38,10948.56 11313.72,10970.9 11313.72,11062.5 11264.02,11112.2 ; 11160.92,8352.56 11160.92,8319.02 11271.69,8319.02 11271.69,10629.92 11271.69,11004.53 11264.02,11012.2 ; 11160.92,9415.55 11160.92,9382.01 11252.01,9382.01 11252.01,10629.92 11252.42,10630.34 11252.42,10653.6 11211.82,10694.2 11211.82,11064.4 11164.02,11112.2 ; 11160.92,10478.54 11160.92,10445 11232.32,10445 11232.32,10629.92 11232.32,10636.2 11164.02,10704.5 11164.02,11012.2 ; 11664.02,11012.2 11664.02,10871 11864.62,10670.4 12252.12,10670.4 12292.6,10629.92 12295.31,10629.92 12295.31,10445 12223.91,10445 12223.91,10478.54 ; 11664.02,11112.2 11709.42,11066.8 11709.42,10865.3 11883.92,10690.8 12275.12,10690.8 12315,10650.92 12315,10629.92 12315,9382.01 12223.91,9382.01 12223.91,9415.55 ; 11764.02,11012.2 11764.02,10858.8 11910.62,10712.2 12278.32,10712.2 12334.68,10655.84 12334.68,10629.92 12334.68,8319.02 12223.91,8319.02 12223.91,8352.56 ; 11764.02,11112.2 11814.42,11061.8 11814.42,10858.5 11942.42,10730.5 12297.62,10730.5 12354.37,10673.75 12354.37,10629.92 12354.37,7256.02 12223.91,7256.02 12223.91,7289.56 ; 11864.02,11012.2 11864.02,10866.3 11980.52,10749.8 12320.02,10749.8 12374.05,10695.77 12374.05,10629.92 12374.05,6193.03 12223.91,6193.03 12223.91,6226.57 ; 11864.02,11112.2 11913.12,11063.1 11913.12,10867.9 12009.82,10771.2 12329.42,10771.2 12393.74,10706.88 12393.74,10629.92 12393.74,5130.04 12223.91,5130.04 12223.91,5163.58 ; 11964.02,11012.2 11964.02,10893.3 12065.22,10792.1 12345.12,10792.1 12413.42,10723.8 12413.42,10629.92 12413.42,4067.05 12223.91,4067.05 12223.91,4100.59 ; 11964.02,11112.2 12011.32,11064.9 12011.32,10902.4 12102.82,10810.9 12355.62,10810.9 12433.11,10733.41 12433.11,10629.92 12433.11,3004.06 12223.91,3004.06 12223.91,3037.6 ; 12064.02,11012.2 12064.02,10918.1 12152.92,10829.2 12375.92,10829.2 12452.79,10752.33 12452.79,10629.92 12452.79,1941.06 12223.91,1941.06 12223.91,1974.6 ; 12064.02,11112.2 12113.72,11062.5 12113.72,10934.2 12197.32,10850.6 12384.82,10850.6 12472.48,10762.94 12472.48,10629.92 12472.48,878.07 12223.91,878.07 12223.91,911.61 ; 13286.91,911.61 13286.91,878.07 13535.47,878.07 13535.47,10629.92 13535.47,10778.77 13741.91,10985.2 13741.91,11060.3 13690.01,11112.2 ; 13286.91,1974.6 13286.91,1941.06 13515.79,1941.06 13515.79,10629.92 13515.79,10792.38 13690.01,10966.6 13690.01,11012.2 ; 13286.91,3037.6 13286.91,3004.06 13496.1,3004.06 13496.1,10629.92 13496.1,10821 13638.31,10963.2 13638.31,11063.9 13590.01,11112.2 ; 13286.91,4100.59 13286.91,4067.05 13476.42,4067.05 13476.42,10629.92 13476.42,10844.81 13590.01,10958.4 13590.01,11012.2 ; 13286.91,5163.58 13286.91,5130.04 13456.73,5130.04 13456.73,10629.92 13456.73,10874.03 13540.71,10958 13540.71,11061.5 13490.01,11112.2 ; 13286.91,6226.57 13286.91,6193.03 13437.05,6193.03 13437.05,10629.92 13437.05,10884.04 13490.01,10937 13490.01,11012.2 ; 13286.91,7289.56 13286.91,7256.02 13417.36,7256.02 13417.36,10629.92 13417.36,10948.56 13439.71,10970.9 13439.71,11062.5 13390.01,11112.2 ; 13286.91,8352.56 13286.91,8319.02 13397.68,8319.02 13397.68,10629.92 13397.68,11004.53 13390.01,11012.2 ; 13286.91,9415.55 13286.91,9382.01 13377.99,9382.01 13377.99,10629.92 13378.41,10630.34 13378.41,10653.6 13337.81,10694.2 13337.81,11064.4 13290.01,11112.2 ; 13286.91,10478.54 13286.91,10445 13358.31,10445 13358.31,10629.92 13358.31,10636.2 13290.01,10704.5 13290.01,11012.2 ; 13790.01,11012.2 13790.01,10871 13990.61,10670.4 14378.11,10670.4 14418.58,10629.92 14421.3,10629.92 14421.3,10445 14349.9,10445 14349.9,10478.54 ; 13790.01,11112.2 13835.41,11066.8 13835.41,10865.3 14009.91,10690.8 14401.11,10690.8 14440.98,10650.92 14440.98,10629.92 14440.98,9382.01 14349.9,9382.01 14349.9,9415.55 ; 13890.01,11012.2 13890.01,10858.8 14036.61,10712.2 14404.31,10712.2 14460.67,10655.84 14460.67,10629.92 14460.67,8319.02 14349.9,8319.02 14349.9,8352.56 ; 13890.01,11112.2 13940.41,11061.8 13940.41,10858.5 14068.41,10730.5 14423.61,10730.5 14480.35,10673.75 14480.35,10629.92 14480.35,7256.02 14349.9,7256.02 14349.9,7289.56 ; 13990.01,11012.2 13990.01,10866.3 14106.51,10749.8 14446.01,10749.8 14500.04,10695.77 14500.04,10629.92 14500.04,6193.03 14349.9,6193.03 14349.9,6226.57 ; 13990.01,11112.2 14039.11,11063.1 14039.11,10867.9 14135.81,10771.2 14455.41,10771.2 14519.72,10706.88 14519.72,10629.92 14519.72,5130.04 14349.9,5130.04 14349.9,5163.58 ; 14090.01,11012.2 14090.01,10893.3 14191.21,10792.1 14471.11,10792.1 14539.41,10723.8 14539.41,10629.92 14539.41,4067.05 14349.9,4067.05 14349.9,4100.59 ; 14090.01,11112.2 14137.31,11064.9 14137.31,10902.4 14228.81,10810.9 14481.61,10810.9 14559.09,10733.41 14559.09,10629.92 14559.09,3004.06 14349.9,3004.06 14349.9,3037.6 ; 14190.01,11012.2 14190.01,10918.1 14278.91,10829.2 14501.91,10829.2 14578.78,10752.33 14578.78,10629.92 14578.78,1941.06 14349.9,1941.06 14349.9,1974.6 ; 14190.01,11112.2 14239.71,11062.5 14239.71,10934.2 14323.31,10850.6 14510.81,10850.6 14598.46,10762.94 14598.46,10629.92 14598.46,878.07 14349.9,878.07 14349.9,911.61 ; 15412.89,911.61 15412.89,878.07 15661.46,878.07 15661.46,10629.92 15661.46,10778.77 15867.89,10985.2 15867.89,11060.3 15815.99,11112.2 ; 15412.89,1974.6 15412.89,1941.06 15641.77,1941.06 15641.77,10629.92 15641.77,10792.38 15815.99,10966.6 15815.99,11012.2 ; 15412.89,3037.6 15412.89,3004.06 15622.09,3004.06 15622.09,10629.92 15622.09,10821 15764.29,10963.2 15764.29,11063.9 15715.99,11112.2 ; 15412.89,4100.59 15412.89,4067.05 15602.4,4067.05 15602.4,10629.92 15602.4,10844.81 15715.99,10958.4 15715.99,11012.2 ; 15412.89,5163.58 15412.89,5130.04 15582.72,5130.04 15582.72,10629.92 15582.72,10874.03 15666.69,10958 15666.69,11061.5 15615.99,11112.2 ; 15412.89,6226.57 15412.89,6193.03 15563.03,6193.03 15563.03,10629.92 15563.03,10884.04 15615.99,10937 15615.99,11012.2 ; 15412.89,7289.56 15412.89,7256.02 15543.34,7256.02 15543.34,10629.92 15543.34,10948.56 15565.69,10970.9 15565.69,11062.5 15515.99,11112.2 ; 15412.89,8352.56 15412.89,8319.02 15523.66,8319.02 15523.66,10629.92 15523.66,11004.53 15515.99,11012.2 ; 15412.89,9415.55 15412.89,9382.01 15503.97,9382.01 15503.97,10629.92 15504.39,10630.34 15504.39,10653.6 15463.79,10694.2 15463.79,11064.4 15415.99,11112.2 ; 15412.89,10478.54 15412.89,10445 15484.29,10445 15484.29,10629.92 15484.29,10636.2 15415.99,10704.5 15415.99,11012.2 ; 15915.99,11012.2 15915.99,10871 16116.59,10670.4 16504.09,10670.4 16544.57,10629.92 16547.28,10629.92 16547.28,10445 16475.88,10445 16475.88,10478.54 ; 15915.99,11112.2 15961.39,11066.8 15961.39,10865.3 16135.89,10690.8 16527.09,10690.8 16566.97,10650.92 16566.97,10629.92 16566.97,9382.01 16475.88,9382.01 16475.88,9415.55 ; 16015.99,11012.2 16015.99,10858.8 16162.59,10712.2 16530.29,10712.2 16586.65,10655.84 16586.65,10629.92 16586.65,8319.02 16475.88,8319.02 16475.88,8352.56 ; 16015.99,11112.2 16066.39,11061.8 16066.39,10858.5 16194.39,10730.5 16549.59,10730.5 16606.34,10673.75 16606.34,10629.92 16606.34,7256.02 16475.88,7256.02 16475.88,7289.56 ; 16115.99,11012.2 16115.99,10866.3 16232.49,10749.8 16571.99,10749.8 16626.02,10695.77 16626.02,10629.92 16626.02,6193.03 16475.88,6193.03 16475.88,6226.57 ; 16115.99,11112.2 16165.09,11063.1 16165.09,10867.9 16261.79,10771.2 16581.39,10771.2 16645.71,10706.88 16645.71,10629.92 16645.71,5130.04 16475.88,5130.04 16475.88,5163.58 ; 16215.99,11012.2 16215.99,10893.3 16317.19,10792.1 16597.09,10792.1 16665.39,10723.8 16665.39,10629.92 16665.39,4067.05 16475.88,4067.05 16475.88,4100.59 ; 16215.99,11112.2 16263.29,11064.9 16263.29,10902.4 16354.79,10810.9 16607.59,10810.9 16685.08,10733.41 16685.08,10629.92 16685.08,3004.06 16475.88,3004.06 16475.88,3037.6 ; 16315.99,11012.2 16315.99,10918.1 16404.89,10829.2 16627.89,10829.2 16704.76,10752.33 16704.76,10629.92 16704.76,1941.06 16475.88,1941.06 16475.88,1974.6 ; 16315.99,11112.2 16365.69,11062.5 16365.69,10934.2 16449.29,10850.6 16636.79,10850.6 16724.45,10762.94 16724.45,10629.92 16724.45,878.07 16475.88,878.07 16475.88,911.61
  Bottom Layer w27.56: 531.5,955.04 v1(531.5,1019.68) ; 531.5,2018.03 v1(531.5,2082.68) ; 531.5,3081.03 v1(531.5,3145.67) ; 531.5,4144.02 v1(531.5,4208.66) ; 531.5,5207.01 v1(531.5,5271.65) ; 531.5,6270 v1(531.5,6334.65) ; 531.5,7332.99 v1(531.5,7397.64) ; 531.5,8395.99 v1(531.5,8460.63) ; 531.5,9458.98 v1(531.5,9523.62) ; 531.5,10521.97 v1(531.5,10586.61) ; 1594.49,955.04 v1(1594.49,1019.68) ; 1594.49,2018.03 v1(1594.49,2082.68) ; 1594.49,3081.03 v1(1594.49,3145.67) ; 1594.49,4144.02 v1(1594.49,4208.66) ; 1594.49,5207.01 v1(1594.49,5271.65) ; 1594.49,6270 v1(1594.49,6334.65) ; 1594.49,7332.99 v1(1594.49,7397.64) ; 1594.49,8395.99 v1(1594.49,8460.63) ; 1594.49,9458.98 v1(1594.49,9523.62) ; 1594.49,10521.97 v1(1594.49,10586.61) ; 2657.48,955.04 v1(2657.48,1019.68) ; 2657.48,2018.03 v1(2657.48,2082.68) ; 2657.48,3081.03 v1(2657.48,3145.67) ; 2657.48,4144.02 v1(2657.48,4208.66) ; 2657.48,5207.01 v1(2657.48,5271.65) ; 2657.48,6270 v1(2657.48,6334.65) ; 2657.48,7332.99 v1(2657.48,7397.64) ; 2657.48,8395.99 v1(2657.48,8460.63) ; 2657.48,9458.98 v1(2657.48,9523.62) ; 2657.48,10521.97 v1(2657.48,10586.61) ; 3720.47,955.04 v1(3720.47,1019.68) ; 3720.47,2018.03 v1(3720.47,2082.68) ; 3720.47,3081.03 v1(3720.47,3145.67) ; 3720.47,4144.02 v1(3720.47,4208.66) ; 3720.47,5207.01 v1(3720.47,5271.65) ; 3720.47,6270 v1(3720.47,6334.65) ; 3720.47,7332.99 v1(3720.47,7397.64) ; 3720.47,8395.99 v1(3720.47,8460.63) ; 3720.47,9458.98 v1(3720.47,9523.62) ; 3720.47,10521.97 v1(3720.47,10586.61) ; 4783.46,955.04 v1(4783.46,1019.68) ; 4783.46,2018.03 v1(4783.46,2082.68) ; 4783.46,3081.03 v1(4783.46,3145.67) ; 4783.46,4144.02 v1(4783.46,4208.66) ; 4783.46,5207.01 v1(4783.46,5271.65) ; 4783.46,6270 v1(4783.46,6334.65) ; 4783.46,7332.99 v1(4783.46,7397.64) ; 4783.46,8395.99 v1(4783.46,8460.63) ; 4783.46,9458.98 v1(4783.46,9523.62) ; 4783.46,10521.97 v1(4783.46,10586.61) ; 5846.46,955.04 v1(5846.46,1019.68) ; 5846.46,2018.03 v1(5846.46,2082.68) ; 5846.46,3081.03 v1(5846.46,3145.67) ; 5846.46,4144.02 v1(5846.46,4208.66) ; 5846.46,5207.01 v1(5846.46,5271.65) ; 5846.46,6270 v1(5846.46,6334.65) ; 5846.46,7332.99 v1(5846.46,7397.64) ; 5846.46,8395.99 v1(5846.46,8460.63) ; 5846.46,9458.98 v1(5846.46,9523.62) ; 5846.46,10521.97 v1(5846.46,10586.61) ; 6909.45,955.04 v1(6909.45,1019.68) ; 6909.45,2018.03 v1(6909.45,2082.68) ; 6909.45,3081.03 v1(6909.45,3145.67) ; 6909.45,4144.02 v1(6909.45,4208.66) ; 6909.45,5207.01 v1(6909.45,5271.65) ; 6909.45,6270 v1(6909.45,6334.65) ; 6909.45,7332.99 v1(6909.45,7397.64) ; 6909.45,8395.99 v1(6909.45,8460.63) ; 6909.45,9458.98 v1(6909.45,9523.62) ; 6909.45,10521.97 v1(6909.45,10586.61) ; 7972.44,955.04 v1(7972.44,1019.68) ; 7972.44,2018.03 v1(7972.44,2082.68) ; 7972.44,3081.03 v1(7972.44,3145.67) ; 7972.44,4144.02 v1(7972.44,4208.66) ; 7972.44,5207.01 v1(7972.44,5271.65) ; 7972.44,6270 v1(7972.44,6334.65) ; 7972.44,7332.99 v1(7972.44,7397.64) ; 7972.44,8395.99 v1(7972.44,8460.63) ; 7972.44,9458.98 v1(7972.44,9523.62) ; 7972.44,10521.97 v1(7972.44,10586.61) ; 9035.43,955.04 v1(9035.43,1019.68) ; 9035.43,2018.03 v1(9035.43,2082.68) ; 9035.43,3081.03 v1(9035.43,3145.67) ; 9035.43,4144.02 v1(9035.43,4208.66) ; 9035.43,5207.01 v1(9035.43,5271.65) ; 9035.43,6270 v1(9035.43,6334.65) ; 9035.43,7332.99 v1(9035.43,7397.64) ; 9035.43,8395.99 v1(9035.43,8460.63) ; 9035.43,9458.98 v1(9035.43,9523.62) ; 9035.43,10521.97 v1(9035.43,10586.61) ; 10098.43,955.04 v1(10098.43,1019.68) ; 10098.43,2018.03 v1(10098.43,2082.68) ; 10098.43,3081.03 v1(10098.43,3145.67) ; 10098.43,4144.02 v1(10098.43,4208.66) ; 10098.43,5207.01 v1(10098.43,5271.65) ; 10098.43,6270 v1(10098.43,6334.65) ; 10098.43,7332.99 v1(10098.43,7397.64) ; 10098.43,8395.99 v1(10098.43,8460.63) ; 10098.43,9458.98 v1(10098.43,9523.62) ; 10098.43,10521.97 v1(10098.43,10586.61) ; 11161.42,955.04 v1(11161.42,1019.68) ; 11161.42,2018.03 v1(11161.42,2082.68) ; 11161.42,3081.03 v1(11161.42,3145.67) ; 11161.42,4144.02 v1(11161.42,4208.66) ; 11161.42,5207.01 v1(11161.42,5271.65) ; 11161.42,6270 v1(11161.42,6334.65) ; 11161.42,7332.99 v1(11161.42,7397.64) ; 11161.42,8395.99 v1(11161.42,8460.63) ; 11161.42,9458.98 v1(11161.42,9523.62) ; 11161.42,10521.97 v1(11161.42,10586.61) ; 12224.41,955.04 v1(12224.41,1019.68) ; 12224.41,2018.03 v1(12224.41,2082.68) ; 12224.41,3081.03 v1(12224.41,3145.67) ; 12224.41,4144.02 v1(12224.41,4208.66) ; 12224.41,5207.01 v1(12224.41,5271.65) ; 12224.41,6270 v1(12224.41,6334.65) ; 12224.41,7332.99 v1(12224.41,7397.64) ; 12224.41,8395.99 v1(12224.41,8460.63) ; 12224.41,9458.98 v1(12224.41,9523.62) ; 12224.41,10521.97 v1(12224.41,10586.61) ; 13287.4,955.04 v1(13287.4,1019.68) ; 13287.4,2018.03 v1(13287.4,2082.68) ; 13287.4,3081.03 v1(13287.4,3145.67) ; 13287.4,4144.02 v1(13287.4,4208.66) ; 13287.4,5207.01 v1(13287.4,5271.65) ; 13287.4,6270 v1(13287.4,6334.65) ; 13287.4,7332.99 v1(13287.4,7397.64) ; 13287.4,8395.99 v1(13287.4,8460.63) ; 13287.4,9458.98 v1(13287.4,9523.62) ; 13287.4,10521.97 v1(13287.4,10586.61) ; 14350.39,955.04 v1(14350.39,1019.68) ; 14350.39,2018.03 v1(14350.39,2082.68) ; 14350.39,3081.03 v1(14350.39,3145.67) ; 14350.39,4144.02 v1(14350.39,4208.66) ; 14350.39,5207.01 v1(14350.39,5271.65) ; 14350.39,6270 v1(14350.39,6334.65) ; 14350.39,7332.99 v1(14350.39,7397.64) ; 14350.39,8395.99 v1(14350.39,8460.63) ; 14350.39,9458.98 v1(14350.39,9523.62) ; 14350.39,10521.97 v1(14350.39,10586.61) ; 15413.39,955.04 v1(15413.39,1019.68) ; 15413.39,2018.03 v1(15413.39,2082.68) ; 15413.39,3081.03 v1(15413.39,3145.67) ; 15413.39,4144.02 v1(15413.39,4208.66) ; 15413.39,5207.01 v1(15413.39,5271.65) ; 15413.39,6270 v1(15413.39,6334.65) ; 15413.39,7332.99 v1(15413.39,7397.64) ; 15413.39,8395.99 v1(15413.39,8460.63) ; 15413.39,9458.98 v1(15413.39,9523.62) ; 15413.39,10521.97 v1(15413.39,10586.61) ; 16476.38,955.04 v1(16476.38,1019.68) ; 16476.38,2018.03 v1(16476.38,2082.68) ; 16476.38,3081.03 v1(16476.38,3145.67) ; 16476.38,4144.02 v1(16476.38,4208.66) ; 16476.38,5207.01 v1(16476.38,5271.65) ; 16476.38,6270 v1(16476.38,6334.65) ; 16476.38,7332.99 v1(16476.38,7397.64) ; 16476.38,8395.99 v1(16476.38,8460.63) ; 16476.38,9458.98 v1(16476.38,9523.62) ; 16476.38,10521.97 v1(16476.38,10586.61)

## Polygon pours and split planes (outlines as drawn)
GND on GND "GND1" (solid, remove dead copper, pour order 0): -64.9,11515.1 -184.4,11395.6 -184.4,-193.8 17398.3,-193.8 17523.7,-68.4 17399.4,55.9 17399.4,11572.3

## Keep-outs
Keep-Out Layer:
  circle w0.79: c8476.75,11302.25 r62.99
  circle w0.79: c16850.3,11302.24 r62.99
  circle w0.79: c157.45,11302.13 r62.99
  lines w0.5: 0,78.74 ccw(c78.74,78.74) 78.74,0 16929.13,0 ccw(c16929.13,78.74) 17007.87,78.74 17007.87,11380.96 ccw(c16929.13,11380.96) 16929.13,11459.7 78.74,11459.7 ccw(c78.74,11380.96) 0,11380.96 0,78.74

## Other copper
Top Layer:
  drawing of 480 lines, arcs and shapes, not listed

## Silkscreen, mask and mechanical layers (free items; w line width, h text height)
Top Overlay:
  circle w0.79: c16862.91,11387.23 r98.43
  circle w0.79: c143.17,11330.31 r98.43
Bottom Overlay:
  circle w0.79: c8476.75,11302.25 r98.43
  circle w0.79: c16850.3,11302.24 r98.43
  circle w0.79: c157.45,11302.13 r98.43
Top Solder:
  drawing of 480 lines, arcs and shapes, not listed
Mechanical 1:
  lines w0.5: 157.08,524.59 157.08,540.34 ; 157.08,1587.58 157.08,1603.33 ; 157.08,2650.58 157.08,2666.32 ; 157.08,3713.57 157.08,3729.32 ; 157.08,4776.56 157.08,4792.31 ; 157.08,5839.55 157.08,5855.3 ; 157.08,6902.54 157.08,6918.29 ; 157.08,7965.54 157.08,7981.28 ; 157.08,9028.53 157.08,9044.28 ; 157.08,10091.52 157.08,10107.27 ; 522.09,10491.88 537.84,10491.88 ; 522.09,10507.63 537.84,10507.63
Mechanical 2:
  drawing of 3209 lines, arcs and shapes, not listed
Mechanical 3:
  drawing of 322 lines, arcs and shapes, not listed
Mechanical 4:
  drawing of 222 lines, arcs and shapes, not listed